# Altium PCB FSAES-22-E17 Temp Module PCB.PcbDoc (part 3 of 3) (continued)
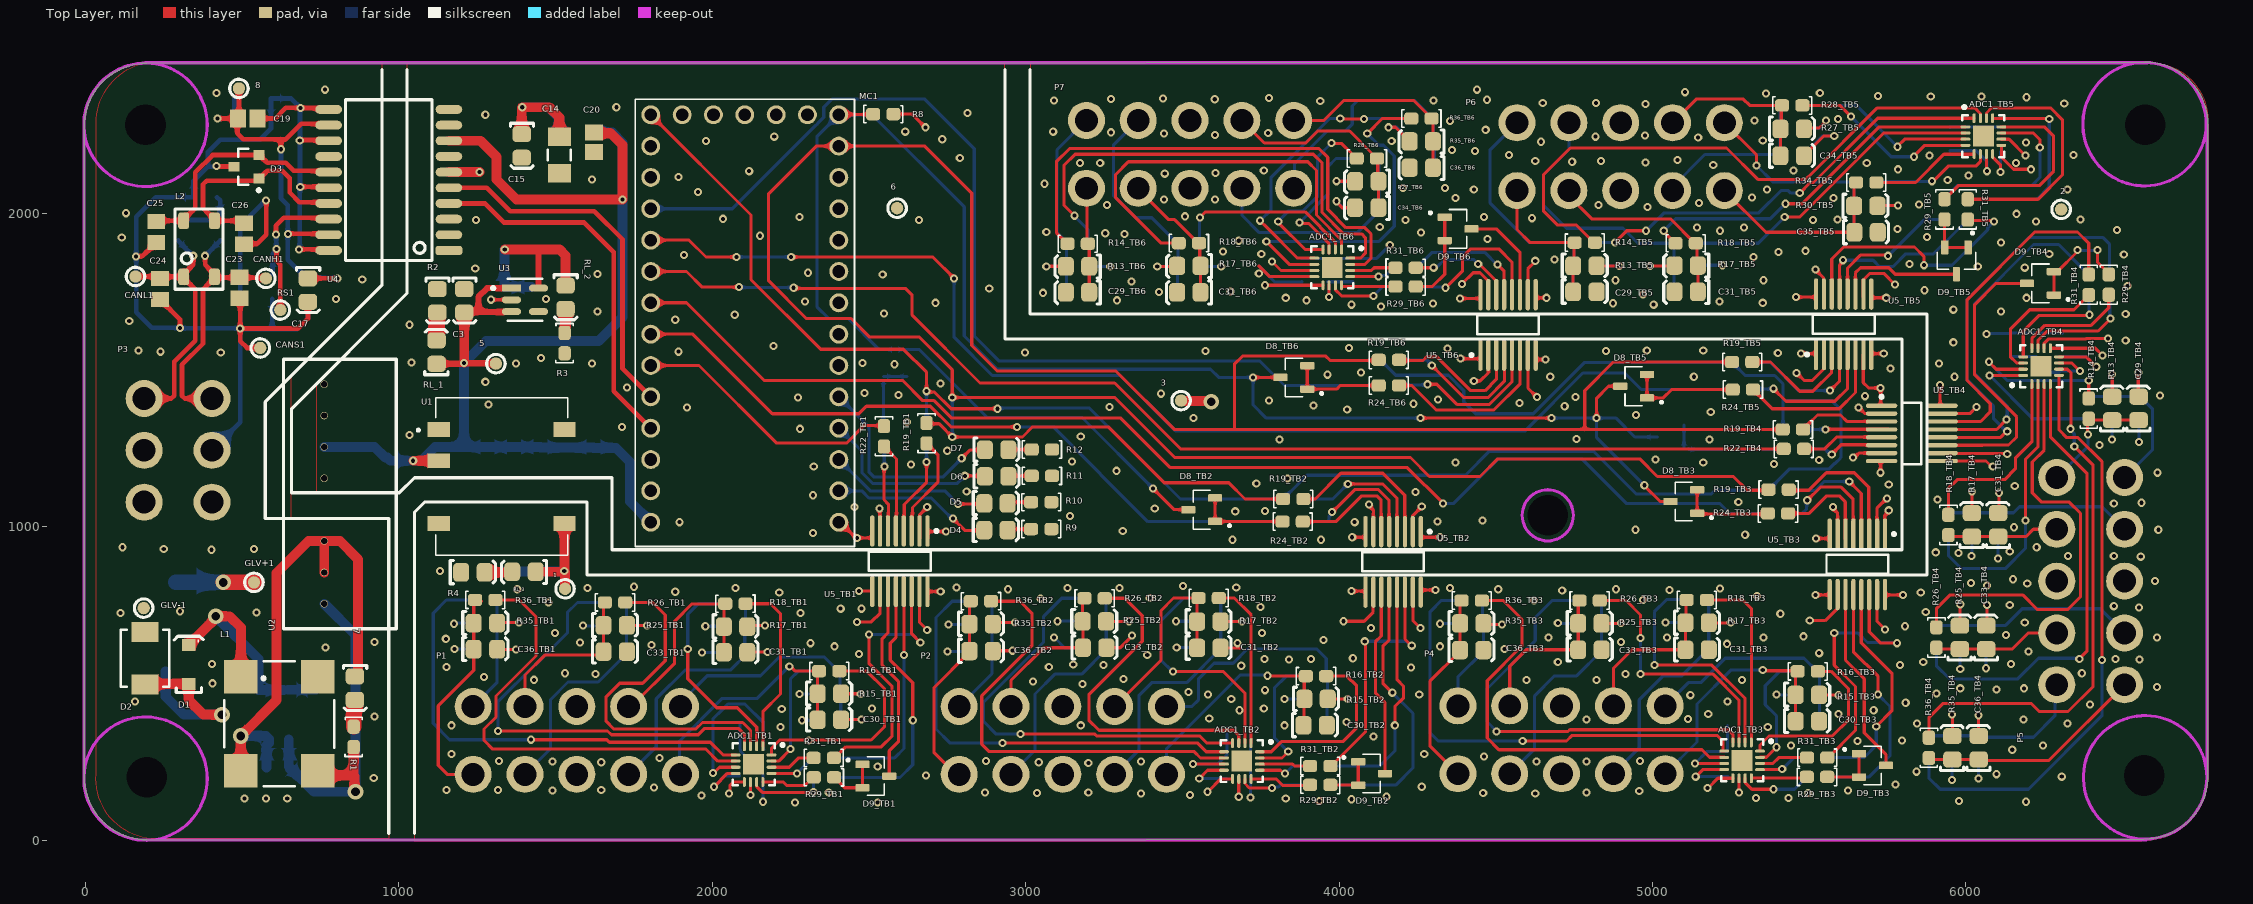
[diagram p0: Top Layer view]
## Nets (pads, with @x,y where several pads share a name; then routed paths per layer and width w, separated by ;. In a path a pad name is that pad's centre, name@x,y a point inside that pad or via, vN(x,y) a via of type N, cw(c..) or ccw(c..) an arc to the next point about the centre after c; other vN are vias at no path point) (continued)
  Top Layer w10: P4.9@4379.29,211.46 4290,300.76 4290,506.06 4386,602.06 C36_TB3.1@4386,606 4386.06,606.06 4386.06,690.9 R35_TB3.1@4386.13,690.97 4386.13,759.09 R36_TB3.2@4391.04,764
TempBank4_1: C29_TB4.1 P5.2 R13_TB4.1 R14_TB4.2 | length 391.4
  Top Layer w10: R14_TB4.2@6386,1344 6388,1342 6388,1296 v1(6390,1294) ; R14_TB4.2@6392,1344 6396.46,1339.54 C29_TB4.1@6551.03,1339.54
  Bottom Layer w10: P5.2@6290,1156.71 6350.5,1217.21 6350.8,1217.21 6390,1256.41 v1(6390,1294)
TempBank4_2: C30_TB4.1 P5.1 R15_TB4.1 R16_TB4.2 | length 478.2
  Bottom Layer w10: R16_TB4.2@6386,1408.96 6392.32,1415.28 R15_TB4.1@6467.03,1415.28 C30_TB4.1@6548.97,1415.28 ; P5.1@6506.54,1156.71 6596,1246.17 6596,1374.25 C30_TB4.1@6554.97,1415.28
TempBank4_3: C31_TB4.1 P5.4 R17_TB4.1 R18_TB4.2 | length 357.2
  Top Layer w10: R18_TB4.2@5944.23,972.72 5948.7,968.26 R17_TB4.1@6019.27,968.26 C31_TB4.1@6103.27,968.26 6192.26,968.26 6215.35,991.35 P5.4@6290,991.35
TempBank4_4: C32_TB4.1 P5.3 R21_TB4.1 R23_TB4.2 | length 602.7
  Bottom Layer w10: R23_TB4.2@5944.2,1037.68 5950.52,1044 R21_TB4.1@6019.27,1044 C32_TB4.1@6103.27,1044 6152,1044 6171.28,1063.28 6434.61,1063.28 P5.3@6506.54,991.35
TempBank4_5: C33_TB4.1 P5.8 R25_TB4.1 R26_TB4.2 | length 407.2
  Top Layer w10: R26_TB4.2@5906,613.52 5910.46,609.06 R25_TB4.1@5981.03,609.06 C33_TB4.1@6065.03,609.06 6147.06,609.06 6198.65,660.65 P5.8@6290,660.65
TempBank4_6: C34_TB4.1 P5.7 R27_TB4.1 R28_TB4.2 | length 657.2
  Bottom Layer w10: R28_TB4.2@5906,678.48 5912.32,684.8 R27_TB4.1@5981.03,684.8 C34_TB4.1@6065.03,684.8 6126.8,684.8 6180,738 6429.18,738 P5.7@6506.54,660.65
TempBank4_7: C35_TB4.1 P5.10 R30_TB4.1 R34_TB4.2 | length 534.6
  Bottom Layer w10: R34_TB4.2@5882,326.48 5888.32,332.8 R30_TB4.1@5957.03,332.8 C35_TB4.1@6041.03,332.8 ; C35_TB4.1@6041.03,328 6216,328 6284,396 6284,489.29 P5.10@6290,495.29
TempBank4_8: C36_TB4.1 P5.9 R35_TB4.1 R36_TB4.2 | length 725.2
  Top Layer w10: R36_TB4.2@5882,261.52 5886.46,257.06 R35_TB4.1@5957.03,257.06 C36_TB4.1@6041.03,257.06 ; C36_TB4.1@6042.14,254 6265.24,254 P5.9@6506.54,495.29
TempBank5_1: C29_TB5.1 P6.2 R13_TB5.1 R14_TB5.2 | length 483.8
  Top Layer w10: P6.2@4568,2072 4568,1948 4610,1906 R14_TB5.2@4751.52,1906 4749.29,1903.77 4749.29,1834.23 R13_TB5.1@4747.06,1832 C29_TB5.1@4747.06,1748.97
TempBank5_2: C30_TB5.1 P6.1 R15_TB5.1 R16_TB5.2 | length 772.7
  Bottom Layer w10: P6.1@4568,2288.54 4482,2202.54 4482,2032 4608,1906 R16_TB5.2@4751.52,1906 4749.29,1903.77 4749.29,1835.26 R15_TB5.1@4747.06,1833.03 C30_TB5.1@4747.06,1749.03
TempBank5_3: C31_TB5.1 P6.4 R17_TB5.1 R18_TB5.2 | length 642.5
  Top Layer w10: P6.4@4733.35,2072 4733.35,2054.65 4806,1982 5057.53,1982 5135.53,1904 R18_TB5.2@5138.48,1904 5141.64,1900.84 5141.64,1836.19 R17_TB5.1@5144.8,1833.03 C31_TB5.1@5144.8,1749.03
TempBank5_4: C32_TB5.1 P6.3 R21_TB5.1 R23_TB5.2 | length 921.1
  Bottom Layer w10: P6.3@4733.35,2288.54 4733.35,2203.35 4652,2122 4652,2026 4726,1952 4906,1952 4954,1904 R23_TB5.2@5069.13,1904 ; C32_TB5.1@5068.13,1749.03 5069.13,1750.03 5069.13,1833.03 5069.13,1899.61 R23_TB5.2@5073.52,1904
TempBank5_5: C33_TB5.1 P6.8 R25_TB5.1 R26_TB5.2 | length 557.2
  Bottom Layer w10: P6.8@5064.06,2072 5064.06,2083.65 5167.44,2187.03 C33_TB5.1@5407.2,2187.03 R25_TB5.1@5407.2,2271.03 5407.2,2337.68 R26_TB5.2@5413.52,2344
TempBank5_6: C34_TB5.1 P6.7 R27_TB5.1 R28_TB5.2 | length 552.3
  Top Layer w10: P6.7@5064.06,2288.54 5139.53,2364 5290,2364 5310,2344 R28_TB5.2@5413.52,2344 5410.82,2341.3 5410.82,2271.66 R27_TB5.1@5408.13,2268.97 C34_TB5.1@5408.13,2182.97
TempBank5_7: C35_TB5.1 P6.10 R30_TB5.1 R34_TB5.2 | length 631.8
  Top Layer w10: P6.10@5229.42,2072 5362.45,1938.97 C35_TB5.1@5644.13,1938.97 5643.66,1939.43 5643.66,2022.5 R30_TB5.1@5643.2,2022.97 5643.2,2091.68 R34_TB5.2@5649.52,2098
TempBank5_8: C36_TB5.1 P6.9 R35_TB5.1 R36_TB5.2 | length 677.7
  Top Layer w10: P6.9@5229.42,2288.54 5332,2185.95 v1(5332,2152)
  Bottom Layer w10: v1(5332,2152) 5384,2100 R36_TB5.2@5649.52,2100 5643.2,2093.68 R35_TB5.1@5643.2,2027.03 C36_TB5.1@5643.2,1943.03
TempBank6_1: C29_TB6.1 P7.2 R13_TB6.1 R14_TB6.2 | length 335.7
  Top Layer w10: P7.2@3193.94,2079.46 3196.23,2077.17 3196.23,1904.77 R14_TB6.2@3198.52,1902.47 3202.99,1898.01 R13_TB6.1@3202.99,1830.47 C29_TB6.1@3202.99,1747.5
TempBank6_2: C30_TB6.1 P7.1 R15_TB6.1 R16_TB6.2 | length 603.8
  Bottom Layer w10: C30_TB6.1@3130.14,1747.5 3130.14,1900.01 R16_TB6.2@3134.61,1904.47 3134.27,1904.47 3119.96,1918.79 3119.96,1919.12 3100,1939.08 3100,2202.06 P7.1@3193.94,2296
TempBank6_3: C31_TB6.1 P7.4 R17_TB6.1 R18_TB6.2 | length 427.2
  Top Layer w10: P7.4@3359.29,2079.46 3359.29,2076.71 3456.53,1979.47 3475.62,1979.47 3550.61,1904.47 R18_TB6.2@3553.57,1904.47 3555.8,1902.24 3555.8,1833.74 R17_TB6.1@3558.03,1831.5 C31_TB6.1@3558.03,1747.5
TempBank6_4: C32_TB6.1 P7.3 R21_TB6.1 R23_TB6.2 | length 700.1
  Bottom Layer w10: P7.3@3359.29,2296 3280,2216.71 3280,2057.03 3351.43,1985.6 3402.53,1985.6 3485.65,1902.47 R23_TB6.2@3488.61,1902.47 ; C32_TB6.1@3484.14,1745.5 R21_TB6.1@3484.14,1829.5 3486.38,1831.74 R23_TB6.2@3486.38,1900.24
TempBank6_5: C33_TB6.1 P7.8 R25_TB6.1 R26_TB6.2 | length 745.1
  Bottom Layer w10: P7.8@3690,2079.46 3690,1994 3746,1938 4058.57,1938 4127.86,2007.28 4127.86,2168.01 R26_TB6.2@4121.39,2174.47
TempBank6_6: C34_TB6.1 P7.7 R27_TB6.1 R28_TB6.2 | length 672.2
  Top Layer w10: P7.7@3690,2296 3761.93,2224.07 3835.9,2224.07 3835.97,2224 3894,2224 3932,2262 4033.87,2262 4103.76,2192.11 4103.76,2191.78 4121.06,2174.47 R28_TB6.2@4121.39,2174.47 4123.62,2172.24 4123.62,2103.74 R27_TB6.1@4125.86,2101.5 C34_TB6.1@4125.86,2017.5
TempBank6_7: C35_TB6.1 P7.10 R30_TB6.1 R34_TB6.2 | length 824.2
  Top Layer w10: P7.10@3855.35,2079.46 P7.10@3855.68,2079.79
  Bottom Layer w10: P7.10@3855.35,2079.46 3858,2082.11 3858,2158 3962,2262 4019.87,2262 4042,2284.13 4042,2342 4060,2360 4240.58,2360 4296.58,2304 R34_TB6.2@4299.54,2304 4301.77,2301.77 4301.77,2231.2 R30_TB6.1@4304,2228.97 C35_TB6.1@4304,2144
TempBank6_8: C36_TB6.1 P7.9 R35_TB6.1 R36_TB6.2 | length 633.6
  Top Layer w10: P7.9@3855.35,2296 3952,2296 4016,2360 4237.42,2360 4277.79,2319.64 4277.79,2319.31 4295.09,2302 R36_TB6.2@4295.42,2302 4299.89,2297.54 R35_TB6.1@4299.89,2229.03 C36_TB6.1@4299.89,2161.03
pads on no net: ADC1_TB1.17 ADC1_TB2.17 ADC1_TB3.17 ADC1_TB4.17 ADC1_TB5.17 ADC1_TB6.17 MC1.3.3V_1 MC1.4 MC1.5 MC1.6 MC1.7 MC1.8 MC1.9 MC1.10 MC1.14 MC1.15 MC1.G3 MC1.ON-OFF MC1.PGM MC1.VBAT P3.2 U1.8 U2.5 U2.8 U4.2 U4.14

## Polygon pours and split planes (outlines as drawn)
"0V (TMP)" on Bottom Layer "NONET_L04_P009" (solid, remove dead copper, shelved, pour order 9): 1082,1078 1050,1046 1050,0 6566.37,0 ccw(c6566.37,207.63) 6774,207.63 6774,2290 ccw(c6584,2290) 6584,2480 3014,2480 3014,1678 5876,1678 5876,846 1600,846 1600,1078
G1 on Bottom Layer "NONET_L04_P010" (solid, shelved, pour order 10): 736,1108 1002,1108 1049.99,1155.99 1680,1156.01 1680,926 5782,926 5782,1598 2934,1598 2934,2480 1024,2480 1024,1742 736,1454
GLV- on Bottom Layer "NONET_L04_P011" (solid, remove dead copper, shelved, pour order 11): 0,196.46 ccw(c196.18,196.46) 196.18,0.28 212,0 968,0 968,1026 656,1026 656,1480 946,1770 946,2480 197.35,2480 ccw(c197.34,2282.66) 0,2282.65
"0V (TMP)" on Top Layer "NONET_L01_P007" (solid, remove dead copper, shelved, pour order 7): 1082,1078 1050,1046 1050,-2 6562.48,-2 ccw(c6562.48,209.52) 6774,209.52 6774,234 6774,2254.43 6774,2294.43 ccw(c6590.33,2294.44) 6590.32,2478.11 3014,2478.11 3014,1678 5876,1678 5876,846 1600,846 1600,1078
G1 on Top Layer "NONET_L01_P006" (solid, shelved, pour order 6): 736,1108 1002,1108 1050,1156 1680,1156 1680,926 5796,926 5796,1598 2934,1598 2934,2476 1026,2476 1026,1744 736,1454
GLV- on Top Layer "NONET_L01_P008" (solid, remove dead copper, shelved, pour order 8): 225.99,3.67 cw(c225.98,195.92) 33.73,195.93 33.99,209.67 33.99,2286.32 cw(c231.34,2286.32) 231.34,2483.67 946,2483.67 946,1770 656,1480 656,1026 968,1026 968,3.67
GLV+ on Int 2 (PWR) (split plane): 910.85,1778.5 564.18,1431.82 559.76,1426.88 555.92,1421.47 552.71,1415.66 550.17,1409.54 548.33,1403.16 547.22,1396.62 546.85,1390 546.85,1052 547.22,1045.38 548.33,1038.84 550.17,1032.46 552.71,1026.34 555.92,1020.53 559.76,1015.12 564.18,1010.18 569.12,1005.76 574.53,1001.92 580.34,998.71 586.46,996.17 592.84,994.33 599.38,993.22 606,992.85 942.85,992.85 942.85,20.42 202.08,20.08 201.77,20.18 201.76,20.18 199.83,20.37 197.85,20.57 197.84,20.56 197.84,20.57 197.22,20.5 196,20.46 184.26,20.85 172.57,22 160.97,23.91 149.53,26.58 138.29,29.99 127.29,34.13 116.59,38.98 106.23,44.52 96.26,50.72 86.71,57.56 77.62,65.02 69.05,73.05 61.02,81.62 53.56,90.71 46.72,100.26 40.52,110.23 34.98,120.59 30.13,131.29 25.99,142.29 22.58,153.53 19.91,164.97 18,176.57 16.85,188.26 16.49,199.29 16.56,200 16.13,2276.83 16.07,2277.45 16.03,2278.67 16.41,2290.41 17.56,2302.11 19.48,2313.7 22.14,2325.14 25.55,2336.38 29.69,2347.38 34.54,2358.08 40.08,2368.44 46.28,2378.42 53.13,2387.97 60.58,2397.05 68.61,2405.62 77.19,2413.66 86.27,2421.11 95.82,2427.95 105.8,2434.16 116.16,2439.69 126.86,2444.54 137.85,2448.68 149.1,2452.09 160.54,2454.76 172.13,2456.67 183.82,2457.82 194.86,2458.19 195.56,2458.12 195.57,2458.12 910.85,2458.54
AVDD_TB1 on Int 2 (PWR) (split plane): 6584.41,2461.59 6596.1,2460.44 6607.69,2458.52 6619.13,2455.86 6630.38,2452.45 6641.37,2448.31 6652.07,2443.46 6662.43,2437.92 6672.41,2431.72 6681.96,2424.87 6691.04,2417.42 6699.62,2409.39 6707.65,2400.82 6715.1,2391.73 6721.94,2382.18 6728.15,2372.21 6733.69,2361.85 6738.53,2351.15 6742.67,2340.15 6746.08,2328.91 6748.75,2317.47 6750.67,2305.88 6751.82,2294.18 6752.13,2284.71 6751.9,2282.45 6751.83,207.45 6751.85,207.26 6751.9,206.81 6751.94,205.57 6751.55,193.62 6750.37,181.73 6748.43,169.93 6745.71,158.29 6742.24,146.86 6738.03,135.67 6733.1,124.78 6727.46,114.24 6721.15,104.09 6714.19,94.37 6706.61,85.13 6698.44,76.41 6689.71,68.24 6680.47,60.65 6670.76,53.69 6660.6,47.38 6650.06,41.74 6639.18,36.81 6627.99,32.6 6616.55,29.13 6604.91,26.42 6593.12,24.47 6581.22,23.3 6569.99,22.93 6569.27,23 6569.26,23 1061.15,20.48 1061.15,1029.5 1087.82,1056.17 1093.38,1055.22 1100,1054.85 1572.85,1054.85 1572.85,870 1573.22,863.38 1574.33,856.84 1576.17,850.46 1578.71,844.34 1581.92,838.53 1585.76,833.12 1590.18,828.18 1595.12,823.76 1600.53,819.92 1606.34,816.71 1612.46,814.17 1618.84,812.33 1625.38,811.22 1632,810.85 5846,810.85 5852.62,811.22 5859.16,812.33 5865.54,814.17 5871.66,816.71 5877.47,819.92 5882.88,823.76 5887.82,828.18 5892.24,833.12 5896.08,838.53 5899.29,844.34 5901.83,850.46 5903.67,856.84 5904.78,863.38 5905.15,870 5904.78,876.62 5903.67,883.16 5901.83,889.54 5899.98,894 5901.83,898.46 5903.67,904.84 5904.78,911.38 5905.15,918 5905.15,1634 5904.78,1640.62 5903.67,1647.16 5901.83,1653.54 5899.29,1659.66 5896.08,1665.47 5892.24,1670.88 5887.82,1675.82 5882.88,1680.24 5877.47,1684.08 5871.66,1687.29 5865.54,1689.83 5859.16,1691.67 5852.62,1692.78 5846,1693.15 3013.15,1693.15 3013.15,2459.78 6570.82,2461.87 6570.83,2461.87 6571.45,2461.93 6572.67,2461.97
"3.3V (ISO)" on Int 2 (PWR) (split plane): 2894.85,1634 2895.22,1627.38 2896.33,1620.84 2898.17,1614.46 2900.71,1608.34 2903.92,1602.53 2907.76,1597.12 2912.18,1592.18 2917.12,1587.76 2922.53,1583.92 2928.34,1580.71 2934.46,1578.17 2940.84,1576.33 2947.38,1575.22 2954,1574.85 5786.85,1574.85 5786.85,929.15 1691.15,929.15 1691.15,1114 1690.78,1120.62 1689.67,1127.16 1687.83,1133.54 1685.29,1139.66 1682.08,1145.47 1678.24,1150.88 1673.82,1155.82 1668.88,1160.24 1663.47,1164.08 1657.66,1167.29 1651.54,1169.83 1645.16,1171.67 1638.62,1172.78 1632,1173.15 1100,1173.15 1093.38,1172.78 1086.84,1171.67 1081,1169.98 1075.16,1171.67 1068.62,1172.78 1062,1173.15 1055.38,1172.78 1048.84,1171.67 1042.46,1169.83 1036.34,1167.29 1030.53,1164.08 1025.12,1160.24 1020.18,1155.82 975.5,1111.15 665.15,1111.15 665.15,1365.5 1011.82,1712.18 1016.24,1717.12 1020.08,1722.53 1023.29,1728.34 1025.83,1734.46 1027.67,1740.84 1027.83,1741.79 1028.78,1747.38 1029.15,1754 1029.15,2455.22 2894.85,2455.22
GLV- on Int 1 (GND) (split plane): 910.85,1778.5 646.18,1513.82 562.18,1429.82 557.76,1424.88 553.92,1419.47 550.71,1413.66 548.17,1407.54 546.33,1401.16 545.22,1394.62 544.85,1388 544.85,1054 545.22,1047.38 546.33,1040.84 548.17,1034.46 550.71,1028.34 553.92,1022.53 557.76,1017.12 562.18,1012.18 567.12,1007.76 572.53,1003.92 578.34,1000.71 584.46,998.17 590.84,996.33 597.38,995.22 604,994.85 946.85,994.85 946.85,20.43 202.08,20.08 201.77,20.18 201.76,20.18 199.83,20.37 197.85,20.57 197.84,20.56 197.84,20.57 197.22,20.5 196,20.46 184.26,20.85 172.57,22 160.97,23.91 149.53,26.58 138.29,29.99 127.29,34.13 116.59,38.98 106.23,44.52 96.26,50.72 86.71,57.56 77.62,65.02 69.05,73.05 61.02,81.62 53.56,90.71 46.72,100.26 40.52,110.23 34.98,120.59 30.13,131.29 25.99,142.29 22.58,153.53 19.91,164.97 18,176.57 16.85,188.26 16.49,199.29 16.56,200 16.13,2276.83 16.07,2277.45 16.03,2278.67 16.41,2290.41 17.56,2302.11 19.48,2313.7 22.14,2325.14 25.55,2336.38 29.69,2347.38 34.54,2358.08 40.08,2368.44 46.28,2378.42 53.13,2387.97 60.58,2397.05 68.61,2405.62 77.19,2413.66 86.27,2421.11 95.82,2427.95 105.8,2434.16 116.16,2439.69 126.86,2444.54 137.85,2448.68 149.1,2452.09 160.54,2454.76 172.13,2456.67 183.82,2457.82 194.86,2458.19 195.56,2458.12 195.57,2458.12 910.85,2458.54
"0V (TMP)" on Int 1 (GND) (split plane): 6584.41,2461.59 6596.1,2460.44 6607.69,2458.52 6619.13,2455.86 6630.38,2452.45 6641.37,2448.31 6652.07,2443.46 6662.43,2437.92 6672.41,2431.72 6681.96,2424.87 6691.04,2417.42 6699.62,2409.39 6707.65,2400.82 6715.1,2391.73 6721.94,2382.18 6728.15,2372.21 6733.69,2361.85 6738.53,2351.15 6742.67,2340.15 6746.08,2328.91 6748.75,2317.47 6750.67,2305.88 6751.82,2294.18 6752.13,2284.71 6751.9,2282.45 6751.83,207.45 6751.85,207.26 6751.9,206.81 6751.94,205.57 6751.55,193.62 6750.37,181.73 6748.43,169.93 6745.71,158.29 6742.24,146.86 6738.03,135.67 6733.1,124.78 6727.46,114.24 6721.15,104.09 6714.19,94.37 6706.61,85.13 6698.44,76.41 6689.71,68.24 6680.47,60.65 6670.76,53.69 6660.6,47.38 6650.06,41.74 6639.18,36.81 6627.99,32.6 6616.55,29.13 6604.91,26.42 6593.12,24.47 6581.22,23.3 6569.99,22.93 6569.27,23 6569.26,23 1065.15,20.48 1065.15,1033.5 1088.5,1056.85 1574.85,1056.85 1574.85,874 1575.22,867.38 1576.33,860.84 1578.17,854.46 1580.71,848.34 1583.92,842.53 1587.76,837.12 1592.18,832.18 1597.12,827.76 1602.53,823.92 1608.34,820.71 1614.46,818.17 1620.84,816.33 1627.38,815.22 1634,814.85 5850,814.85 5856.62,815.22 5863.16,816.33 5869.54,818.17 5875.66,820.71 5881.47,823.92 5886.88,827.76 5891.82,832.18 5896.24,837.12 5900.08,842.53 5903.29,848.34 5905.83,854.46 5907.67,860.84 5908.78,867.38 5909.15,874 5909.15,1630 5908.78,1636.62 5907.67,1643.16 5905.83,1649.54 5903.29,1655.66 5900.08,1661.47 5896.24,1666.88 5891.82,1671.82 5886.88,1676.24 5881.47,1680.08 5875.66,1683.29 5869.54,1685.83 5863.16,1687.67 5856.62,1688.78 5850,1689.15 3015.15,1689.15 3015.15,2459.78 6570.82,2461.87 6570.83,2461.87 6571.45,2461.93 6572.67,2461.97
GLV- on Int 1 (GND) (split plane): 2896.85,1642 2897.22,1635.38 2898.33,1628.84 2900.17,1622.46 2902.71,1616.34 2905.92,1610.53 2909.76,1605.12 2914.18,1600.18 2919.12,1595.76 2920.66,1594.66 2921.76,1593.12 2926.18,1588.18 2931.12,1583.76 2936.53,1579.92 2942.34,1576.71 2948.46,1574.17 2954.84,1572.33 2961.38,1571.22 2968,1570.85 5790.85,1570.85 5790.85,933.15 1693.15,933.15 1693.15,1116 1692.78,1122.62 1691.67,1129.16 1689.83,1135.54 1687.29,1141.66 1684.08,1147.47 1680.24,1152.88 1675.82,1157.82 1670.88,1162.24 1665.47,1166.08 1659.66,1169.29 1653.54,1171.83 1647.16,1173.67 1640.62,1174.78 1634,1175.15 1064,1175.15 1057.38,1174.78 1051.79,1173.83 1050.84,1173.67 1044.46,1171.83 1041.93,1170.78 1038.34,1169.29 1035.74,1167.86 1032.53,1166.08 1027.12,1162.24 1022.18,1157.82 977.5,1113.15 663.15,1113.15 663.15,1363.5 729.82,1430.18 1011.82,1712.18 1016.24,1717.12 1020.08,1722.53 1023.29,1728.34 1025.83,1734.46 1027.67,1740.84 1028.78,1747.38 1029.15,1754 1029.15,2458.61 2896.85,2459.71

## Keep-outs
Keep-Out Layer:
  circle w10: c4666,1036 r81.63
  circle w10: c192,196 r196.85
  circle w10: c192,2282 r196.85
  circle w10: c6570,2284 r196.85
  circle w10: c6572,200 r196.85
  lines w10: -4,188 -4,2288 ; 180,0 6576,0 ; 190,2480 6580,2480 ; 6768.85,200 6768.85,2282

## Other copper
Int 1 (GND) (plane layer: these items are gaps in the copper):
  lines w39.37: 688,1462 688,1472 ; 966,2480 970,2476 ; 998,-4 998,1054 ; 2956,1642 2968,1630
  lines w118.11: 970,2476 970,1754 688,1472 604,1388 604,1054 998,1054 ; 1002,1054 1064,1116 1634,1116 1634,874 5850,874 5850,1630 2968,1630 ; 1006,4 1006,1046 ; 2956,1642 2956,2478
Int 2 (PWR) (plane layer: these items are gaps in the copper):
  lines w39.37: 970,2470 980,2480 ; 975,2475 2954,2475 ; 1062,1114 1100,1114 ; 5846,870 5846,918
  lines w118.11: 970,2470 970,1754 606,1390 606,1052 1002,1052 1002,-12 ; 1000,1052 1062,1114 ; 1100,1114 1632,1114 1632,870 5846,870 ; 2954,2475 2954,1634 5846,1634 5846,918

## Silkscreen, mask and mechanical layers (free items; w line width, h text height)
Top Overlay:
  lines w10: 946,2458.85 946,1770 574,1398 574,1026 968,1026 ; 968,21.15 968,1026 ; 1026,2458.85 1026,1744 ; 1050,21.15 1050,1046 1082,1078 1600,1078 ; 2934,2458.85 2934,1598 5796,1598 5796,926 1680,926 1680,1156.01 1050.01,1156.01 ; 3014,2458.85 3014,1678 5876,1678 ; 968,1026 968,1026 ; 1026,1744 1026,1744 ; 1026,1744 658,1376 658,1108 1002,1108 1049.99,1155.99 ; 1049.99,1155.99 1050.01,1156.01 ; 1600,1077.99 1600,846 5876,846 ; 1600,1078 1600,1077.99 ; 5876,846 5876,1678 ; 5876,846 5876,846 ; 5876,1678 5876,1678
Bottom Overlay:
  drawing of 55 lines, arcs and shapes, not listed
  text "0V (TMP)" at 3449.91,2394.09 h19.68 r180
  text "4" at 3351.34,2392.42 h19.68 r180
  text "2" at 3181.91,2390.09 h19.68 r180
  text "6" at 3675.91,2390.09 h19.68 r180
  text "8" at 3847.91,2388.09 h19.68 r180
  text "2" at 4555.91,2380.09 h19.68 r180
  text "0V (TMP)" at 4827.91,2380.09 h19.68 r180
  text "8" at 5219.91,2380.09 h19.68 r180
  text "4" at 4721.34,2378.42 h19.68 r180
  text "6" at 5051.91,2378.09 h19.68 r180
  text "5" at 3683.91,2006.09 h19.68 r180
  text "3" at 3347.91,2004.09 h19.68 r180
  text "0V (TMP)" at 3451.91,2004.09 h19.68 r180
  text "7" at 3857.81,2001.62 h19.68 r180
  text "7" at 5223.81,2001.62 h19.68 r180
  text "1" at 3192.14,2001.06 h19.68 r180
  text "3" at 4719.91,1996.09 h19.68 r180
  text "0V (TMP)" at 4825.91,1994.09 h19.68 r180
  text "5" at 5051.43,1994.09 h19.68 r180
  text "1" at 4561.91,1992.09 h19.68 r180
  text "Formula SAE" at 2138.94,1641.36 h70 r270
  text "27/06/2023 - N.N & N.T" at 2061.06,1634 h40 r270
  text "Temp Expansion Module R0" at 2100,1634 h40 r270
  text "CANL" at 438.09,1485.91 h19.68
  text "CANH" at 224.09,1481.91 h19.68
  text "CANS" at 562.09,1239.91 h19.68
  text "Team Swinburne" at 2193.94,1201.36 h120 r270
  text "1" at 6214.09,1164.09 h19.68 r90
  text "2" at 6600.09,1164.09 h19.68 r90
  text "4" at 6594.09,1002.09 h19.68 r90
  text "3" at 6212.09,1000.09 h19.68 r90
  text "GLV+" at 224.09,975.91 h19.68
  text "GLV-" at 430.09,971.91 h19.68
  text "0V (TMP)" at 6214.09,898.09 h19.68 r90
  text "0V (TMP)" at 6600.09,892.09 h19.68 r90
  text "5" at 6210.74,666.74 h19.68 r90
  text "6" at 6600.42,656.66 h19.68 r90
  text "0V (TMP)" at 3196.09,505.91 h19.68
  text "7" at 1242.09,501.91 h19.68
  text "5" at 4550.09,501.91 h19.68
  text "0V (TMP)" at 4778.09,501.91 h19.68
  text "5" at 1412.09,499.91 h19.68
  text "3" at 1740.09,499.91 h19.68
  text "1" at 1900.09,499.91 h19.68
  text "3" at 3282.09,499.91 h19.68
  text "1" at 5038.09,499.91 h19.68
  text "8" at 6600.09,500.09 h19.68 r90
  text "0V (TMP)" at 1636.09,497.91 h19.68
  text "1" at 3452.09,497.91 h19.68
  text "3" at 4880.09,497.91 h19.68
  text "5" at 2959.45,497.26 h19.68
  text "7" at 6217.62,496.19 h19.68 r90
  text "7" at 4380.19,494.38 h19.68
  text "7" at 2786.19,492.38 h19.68
  text "4" at 4876.09,119.91 h19.68
  text "2" at 5054.09,117.91 h19.68
  text "8" at 4378.09,115.91 h19.68
  text "8" at 1242.09,113.91 h19.68
  text "6" at 1406.09,113.91 h19.68
  text "6" at 4548.66,113.58 h19.68
  text "8" at 2788.09,111.91 h19.68
  text "6" at 2956.66,111.58 h19.68
  text "0V (TMP)" at 4776.09,111.91 h19.68
  text "0V (TMP)" at 1628.09,109.91 h19.68
  text "0V (TMP)" at 3186.09,109.91 h19.68
  text "4" at 3286.09,109.91 h19.68
  text "2" at 3454.09,109.91 h19.68
  text "4" at 1742.09,107.91 h19.68
  text "2" at 1912.09,107.91 h19.68
Mechanical 1:
  lines w39.37: -4,200 -3.97,2276.83 ; -3.54,200 ccw(c196,200) 197.85,0.47 ; 195.56,2478.21 6570.82,2481.97 ; 197.85,-0.01 6569.27,2.9 ccw(c6569.27,205.57) 6771.93,207.45 6772,2282.44 ; 6570.82,2481.98 cw(c6572.66,2282.44) 6772.21,2282.44
Drill Drawing:
  circle w10: c79.04,3549.33 r33.33
  lines w10: 45.71,3066 45.71,3082.67 62.37,3099.33 45.71,3116 45.71,3132.67 62.37,3132.67 79.04,3116 95.71,3132.67 112.37,3132.67 112.37,3116 95.71,3099.33 112.37,3082.67 112.37,3066 95.71,3066 79.04,3082.67 62.37,3066 45.71,3066 ; 45.71,3249.33 79.04,3216 112.37,3249.33 79.04,3282.67 45.71,3249.33 ; 45.71,3366 112.37,3366 112.37,3432.67 45.71,3432.67 45.71,3366 ; 45.71,3682.67 62.37,3682.67 79.04,3666 95.71,3682.67 112.37,3682.67 95.71,3699.33 112.37,3716 95.71,3716 79.04,3732.67 62.37,3716 45.71,3716 62.37,3699.33 45.71,3682.67 ; 45.71,3882.67 112.37,3882.67 79.04,3816 45.71,3882.67 ; 45.71,3966 79.04,3982.67 112.37,3966 95.71,3999.33 112.37,4032.67 79.04,4016 45.71,4032.67 62.37,3999.33 45.71,3966
  lines w15: -14.08,3021 10676.94,3021 ; -14.08,4071 10676.94,4071 ; 536.79,2871 536.79,4221 ; 1136.63,2871 1136.63,4221 ; 2286.3,2871 2286.3,4221 ; 2792.17,2871 2792.17,4221 ; 3525.97,2871 3525.97,4221 ; 5025.52,2871 5025.52,4221 ; 5615.37,2871 5615.37,4221 ; 6361.17,2871 6361.17,4221 ; 7110.96,2871 7110.96,4221 ; 7964.73,2871 7964.73,4221 ; 9298.34,2871 9298.34,4221 ; -14.08,2871 10676.94,2871 10676.94,4221 -14.08,4221 -14.08,2871
  text "Symbol" at 75.92,4116 h72
  text "Count" at 581.79,4116 h72
  text "Hole Size" at 1181.63,4116 h72
  text "Plated" at 2331.3,4116 h72
  text "Hole Type" at 2837.17,4116 h72
  text "Drill Layer Pair" at 3570.97,4116 h72
  text "Via/Pad" at 5070.52,4116 h72
  text "Pad Shape" at 5660.37,4116 h72
  text "Template" at 6406.17,4116 h72
  text "Description" at 7155.96,4116 h72
  text "Hole Tolerance (+)" at 8009.73,4116 h72
  text "Hole Tolerance (-)" at 9343.34,4116 h72
  text "5" at 581.79,3966 h60
  text "3.300mm (129.92mil)" at 1181.63,3966 h60
  text "PTH" at 2331.3,3966 h60
  text "Round" at 2837.17,3966 h60
  text "Top Layer - Bottom Layer" at 3570.97,3966 h60
  text "Pad" at 5070.52,3966 h60
  text "Rounded" at 5660.37,3966 h60
  text "(Mixed)" at 6406.17,3966 h60
  text "6" at 581.79,3816 h60
  text "0.711mm (28.00mil)" at 1181.63,3816 h60
  text "PTH" at 2331.3,3816 h60
  text "Round" at 2837.17,3816 h60
  text "Top Layer - Bottom Layer" at 3570.97,3816 h60
  text "Via" at 5070.52,3816 h60
  text "Rounded" at 5660.37,3816 h60
  text "(Mixed)" at 6406.17,3816 h60
  text "7" at 581.79,3666 h60
  text "0.500mm (19.69mil)" at 1181.63,3666 h60
  text "PTH" at 2331.3,3666 h60
  text "Round" at 2837.17,3666 h60
  text "Top Layer - Bottom Layer" at 3570.97,3666 h60
  text "Pad" at 5070.52,3666 h60
  text "Rounded" at 5660.37,3666 h60
  text "c60h50" at 6406.17,3666 h60
  text "33" at 581.79,3516 h60
  text "1.020mm (40.16mil)" at 1181.63,3516 h60
  text "PTH" at 2331.3,3516 h60
  text "Round" at 2837.17,3516 h60
  text "Top Layer - Bottom Layer" at 3570.97,3516 h60
  text "Pad" at 5070.52,3516 h60
  text "Rounded" at 5660.37,3516 h60
  text "c153h102" at 6406.17,3516 h60
  text "66" at 581.79,3366 h60
  text "1.850mm (72.84mil)" at 1181.63,3366 h60
  text "PTH" at 2331.3,3366 h60
  text "Round" at 2837.17,3366 h60
  text "Top Layer - Bottom Layer" at 3570.97,3366 h60
  text "Pad" at 5070.52,3366 h60
  text "Rounded" at 5660.37,3366 h60
  text "c300h185" at 6406.17,3366 h60
  text "151" at 581.79,3216 h60
  text "0.330mm (12.99mil)" at 1181.63,3216 h60
  text "PTH" at 2331.3,3216 h60
  text "Round" at 2837.17,3216 h60
  text "Top Layer - Bottom Layer" at 3570.97,3216 h60
  text "Via" at 5070.52,3216 h60
  text "Rounded" at 5660.37,3216 h60
  text "v66h33m0mx0" at 6406.17,3216 h60
  text "605" at 581.79,3066 h60
  text "0.330mm (12.99mil)" at 1181.63,3066 h60
  text "PTH" at 2331.3,3066 h60
  text "Round" at 2837.17,3066 h60
  text "Top Layer - Bottom Layer" at 3570.97,3066 h60
  text "Via" at 5070.52,3066 h60
  text "Rounded" at 5660.37,3066 h60
  text "(Mixed)" at 6406.17,3066 h60
  text "873 Total" at 581.79,2916 h60
  text "FABRICATION NOTES" at 7028.05,2563.28 h118.11
  text "1. QUANTITY: 5" at 7028.05,2362.64 h118.11
  text "2. SIZE: 172.1mm X 62.9mm" at 7028.05,2161.99 h118.11
  text "3. LAYERS: 4" at 7028.05,1961.34 h118.11
  text "4. SIGNAL LAYERS: 4" at 7028.05,1800.05 h118.11
  text "a) WEIGHT: 1oz" at 7224.9,1560.05 h118.11
  text "5. SOLDER MASKS: Blue" at 7028.05,1312.44 h118.11
  text "6. SILKSCREEN: White" at 7028.05,1111.8 h118.11
  text "7. SURFACE FINISH: ENIG" at 7028.05,911.15 h118.11
  text "8. FINISHED COPPER: 1oz Cu" at 7028.05,710.51 h118.11
  text "9. TOTAL THICKNESS: 1.6mm" at 7028.05,509.86 h118.11
  text "CHECK CUTOUT ARE ROUTED CORRECTED (DEFINED ON KEEPOUT LAYER)" at 7004.06,-171.84 h118.11

## Text inside footprints (layer, text, board x,y; h text height)
MC1: Mechanical 13 "GND" at 2579,1024 h32 r180; Bottom Overlay "GND" at 2334,990 h32